# Altium PCB R100.230.030.001-00 ControlVR.PcbDoc (part 5 of 5)
Units mm, origin at the board's own origin, x right, y up, seen from the top; angles counter-clockwise.
Board outline 150 x 170 mm, 2 copper layers (Top, Bottom), stack 1.571 mm thick; 497 components, 319 nets, 1589 pads, 832 vias.
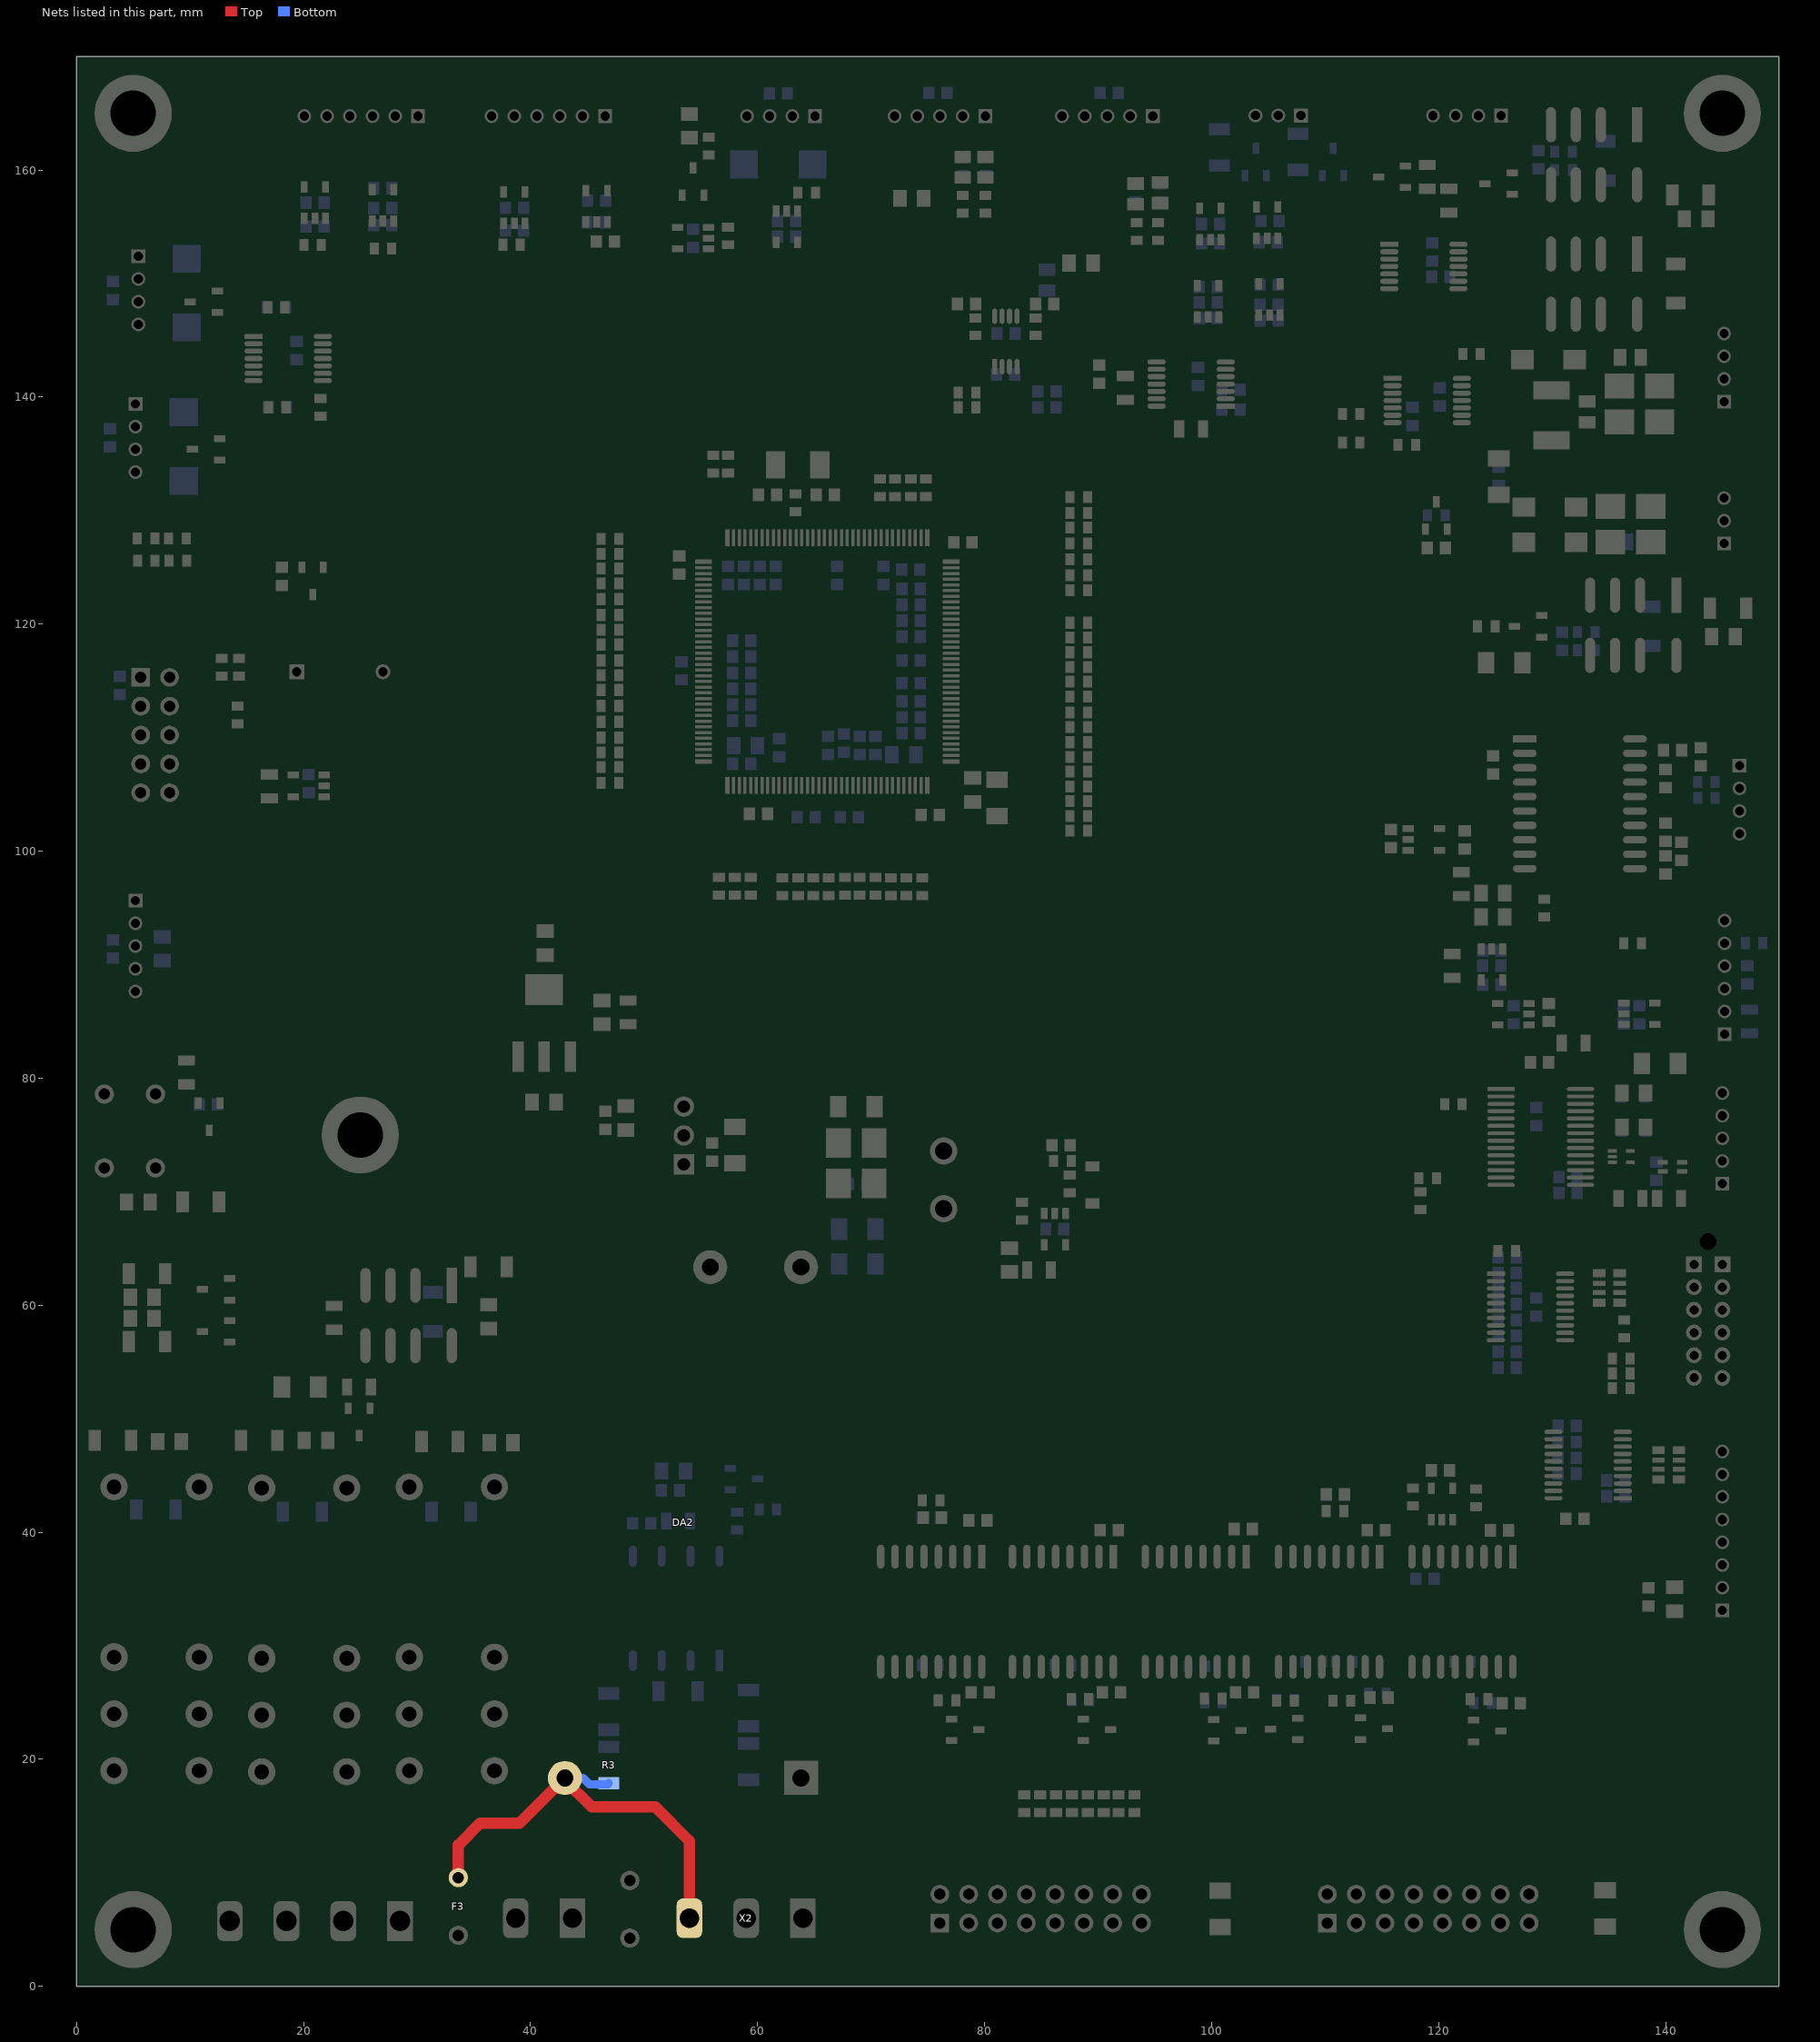
[diagram p5: the nets of this part, all layers, seen from the top]

## Via types
v1: diameter 0.8/0.8 (per signal layer), hole 0.5, Top to Bottom, 787 vias
v2: diameter 1.3, hole 0.7, Top to Bottom, 40 vias
v3: diameter 0.8/0.6 (per signal layer), hole 0.5, Top to Bottom, 4 vias
v4: diameter 0.8/0.9 (per signal layer), hole 0.5, Top to Bottom, 1 vias

## Nets (pads, with @x,y where several pads share a name; then routed paths per layer and width w, separated by ;. In a path a pad name is that pad's centre, name@x,y a point inside that pad or via, vN(x,y) a via of type N, cw(c..) or ccw(c..) an arc to the next point about the centre after c; other vN are vias at no path point) (continued)
~220V_N: DA2.2 F3.1 R3.2 X2.3 | length 39.3
  Top w1: F3.1@33.644,9.58 33.644,12.444 35.575,14.375 39.048,14.375 DA2.2@43.031,18.358 ; DA2.2@43.325,18.325 43.292,18.358 DA2.2@43.031,18.358 ; X2.3@54,6 54,12.8 51,15.8 45.4,15.8 43.031,18.169 DA2.2@43.031,18.358
  Bottom w0.75: DA2.2@43.031,18.358 44.642,18.358 45.2,17.8 46.8,17.8 R3.2@46.9,17.9
pads on no net: DA4.1 DA4.4 DD1.1 DD1.4 DD1.7 DD1.8 DD1.9 DD1.10 DD1.11 DD1.12 DD1.13 DD1.14 DD1.15 DD1.18 DD1.19 DD1.21 DD1.22 DD1.26 DD1.27 DD1.28 DD1.34 DD1.35 DD1.40 DD1.47 DD1.48 DD1.49 DD1.50 DD1.56 DD1.57 DD1.65 DD1.66 DD1.67 DD1.68 DD1.76 DD1.77 DD1.78 DD1.79 DD1.80 DD1.81 DD1.82 DD1.85 DD1.86 DD1.87 DD1.89 DD1.93 DD1.97 DD1.100 DD1.103 DD1.110 DD1.118 DD1.128 DD1.129 DD1.141 DD1.142 DD3.6 DD3.8 DD3.9 DD3.10 DD3.11 DD3.12 DD3.13 DD3.14 DD3.24 DD3.27 DD3.28 DD4.2 DD8.1 DD18.10 DD18.11 DD18.14 DD19.6 DD19.7 DD19.10 DD19.11 DD19.14 DD20.6 DD20.7 DD20.10 DD20.11 DD20.14 DD21.7 DD21.10 DD22.7 DD22.10 DD22.11 DD22.14 DD24.12 DD24.14 DD30.10 DD30.12 K1.2 K1.5 K1.7 K2.2 K2.4 K2.7 K3.2 K3.5 K3.7 K4.4 K4.7 K5.2 K5.4 K6.4 K6.5 K6.7 K7.2 K7.7 X2.1 X3.4 X4.8 X6.4 X7.2 X10.2 X10.3 X16.0

## Polygon pours and split planes (outlines as drawn)
GISO on Bottom "Poly" (solid, pour order 24): 134.6,110.5 134.6,97.8 136.1,96.3 147.9,96.3 149.4,97.8 149.4,110.5 147.9,112 136.1,112
GND_C on Bottom "Poly" (solid, pour order 20): 54.3,128.5 54.3,104.9 78.2,104.9 78.2,128.5 68.9,128.5 68.9,137.7 58.3,137.7 58.3,128.5
GND_C on Bottom "GND_C" (solid, pour order 18): 74.1,75.3 72,75.3 71.6,74.9 71.6,73.6 72,73.2 74.1,73.2 74.1,66.2 78.8,66.2 78.8,75.3
GND_SHLD on Bottom "GND_SINK" (solid, pour order 0): 141.9,160.8 150,160.8 150,163.7 150,170 140.4,170 140.4,162.3
GISO on Top "Poly" (solid, pour order 26): 136.1,112 134.6,110.5 134.6,97.8 136.1,96.3 147.9,96.3 149.4,97.8 149.4,110.6 149.3,110.6 147.9,112
GND_C on Top "Poly" (solid, pour order 22): 57,125.7 58.3,125.7 58.3,137.7 68.9,137.7 68.9,125.7 74.8,125.7 74.8,107.8 57,107.8
GND_C on Top "GND_C" (solid, pour order 16): 74.1,75.3 71.5,75.3 71.5,75.6 69.1,75.6 69.1,72.9 71.5,72.9 71.5,73.2 74.1,73.2 74.1,66.3 78.8,66.3 78.8,75.3
GND_SHLD on Top "GND_SHLD" (solid, pour order 2): 140.4,170 140.4,163.5 140.4,162.3 141.9,160.8 150,160.8 150,170
no net on Top Solder "NetL1_1" (solid): 140.4,170 140.4,162.3 141.9,160.8 150,160.8 150,170
no net on Bottom Solder "NetL1_1" (solid): 140.4,170 140.4,162.3 141.9,160.8 150,160.8 150,170

## Silkscreen, mask and mechanical layers (free items; w line width, h text height)
Top Overlay:
  rectangle: 132.5,16.8 149,25.25
  lines w0.102: 130.2,67.9 133.8,67.9 135.7,72
  lines w0.254: 2.25,123 2.25,130 10.75,130 10.75,123 2.25,123
  text "Temp_HS" at 71.575,168.5 h1
  text "Temp_Ext" at 85.325,168.5 h1
  text "Led_HV" at 99.5,168.3 h1
  text "DriverInvertor" at 15.575,168.25 h1
  text "DriverInvertor" at 31.825,168.25 h1
  text "Fun_HS" at 57.325,168.25 h1
  text "SW_RL" at 117.825,168.25 h1
  text "ES" at 149.65,142.8 h1 r90
  text "Fun1_Ext" at 1.475,141.825 h1 r90
  text "LS" at 149.75,129.9 h1 r90
  text "Fun2_Ext" at 1.7,129.075 h1 r90
  text "Version" at 13.025,123.475 h1 r90
  text "SWD" at 1.75,108.75 h1 r90
  text "RS232" at 149.4,100.775 h1 r90
  text "TX" at 119.1,95.8 h1
  text "RX" at 119.5,93.2 h1
  text "FOC" at 149.5,91.575 h1 r90
  text "Reserve" at 1.7,86.65 h1 r90
  text "RX" at 135.1,78.1 h1 r90
  text "TX" at 135.2,74.9 h1 r90
  text "USB" at 149.5,74.5 h1 r90
  text "Disch" at 3,66.25 h1 r90
  text "GND_C" at 74,64.6 h1
  text "Led1" at 2.9,60.65 h1 r90
  text "Test" at 1.5,58.05 h1 r90
  text "ControlVR" at 68.446,57.8 h1
  text "Led2" at 2.9,55.75 h1 r90
  text "OLTEST 18.06.2019" at 66.071,55.7 h1
  text "R100.230.030.000-00" at 64.7,53.6 h1
  text "MeasOutUI" at 149.5,53.1 h1 r90
  text "MeasInUI" at 149.5,37.125 h1 r90
  text "Power" at 56.25,0.75 h1
  text "Parallel operation" at 90.7,0.7 h1
  text "LT_TOWER" at 18.9,0.6 h1
Bottom Overlay:
  lines w0.102: 49.325,113.05 53.3,113.05 57.15,114.2 ; 49.9,119.4 54.1,119.4 57.1,115.8 ; 49.9,121 54,121 57.15,117.2 ; 49.9,122.6 53.9,122.6 57.15,118.7
  text "ControlVR" at 87.4,55.5 h1
  text "R100.230.030.001-00" at 92,53.6 h1
Board:
  the board outline again, w0.254

## Text inside footprints (layer, text, board x,y; h text height)
B1: Top Overlay "+" at 15.2,114.8 h1
C147: Bottom Overlay "+" at 10.083,154.857 h1 r90
C151: Bottom Overlay "+" at 9.833,141.357 h1 r90
C156: Bottom Overlay "+" at 67.532,160.117 h1
VD1: Top Overlay "+" at 45.95,88.3 h1 r270
VD2: Bottom Overlay "+" at 49.675,26.325 h1 r180
VD3: Top Overlay "+" at 139.7,76.05 h1 r180
VD4: Top Overlay "+" at 139.7,79.05 h1 r180
VD5: Top Overlay "+" at 90,73.225 h1 r90
VD6: Top Overlay "+" at 82.525,61.5 h1 r90
VD7: Top Overlay "+" at 127.3,94.55 h1 r180
VD8: Top Overlay "+" at 127.3,96.65 h1 r180
VD9: Top Overlay "+" at 147.6,119.25 h1 r180
VD10: Bottom Overlay "+" at 138.375,116.475 h1 r270
VD13: Top Overlay "+" at 18.6,47.75 h1
VD15: Bottom Overlay "+" at 23.225,41.475 h1
VD16: Top Overlay "+" at 145.2,156.05 h1 r180
VD17: Bottom Overlay "+" at 134.375,157.475 h0.76 r270
VD18: Top Overlay "+" at 141.225,146.675 h1 r90
VD19: Top Overlay "+" at 5.7,47.65 h1
VD20: Bottom Overlay "+" at 10.325,41.675 h1
VD21: Top Overlay "+" at 34.904,47.55 h1
VD22: Bottom Overlay "+" at 36.325,41.475 h1
VD23: Top Overlay "+" at 35.95,61.5 h1 r270
VD24: Bottom Overlay "+" at 31.075,56.1 h1 r270
VD25: Top Overlay "+" at 7.95,69.425 h1 r180
VD32: Top Overlay "+" at 3.3,60.375 h1
VD33: Top Overlay "+" at 3.3,58.5 h1
X4: Top Overlay "9" at 4.91,103.45 h1 r270; Top Overlay "10" at 7.45,103.45 h1 r270; Top Overlay "1" at 4.91,117.61 h1 r270; Top Overlay "2" at 7.45,118.11 h1 r270
X13: Top Overlay "2" at 73.86,7.365 h1; Top Overlay "1" at 74.36,4.825 h1; Top Overlay "16" at 95.04,7.365 h1; Top Overlay "15" at 95.04,4.825 h1
X14: Top Overlay "2" at 108,7.365 h1; Top Overlay "1" at 108.5,4.825 h1; Top Overlay "16" at 129.18,7.365 h1; Top Overlay "15" at 129.18,4.825 h1
X16: Top Overlay "A" at 148.5,65.6 h1 r270